# Altium PCB KitKTS.PcbDoc (part 2 of 2) (continued)
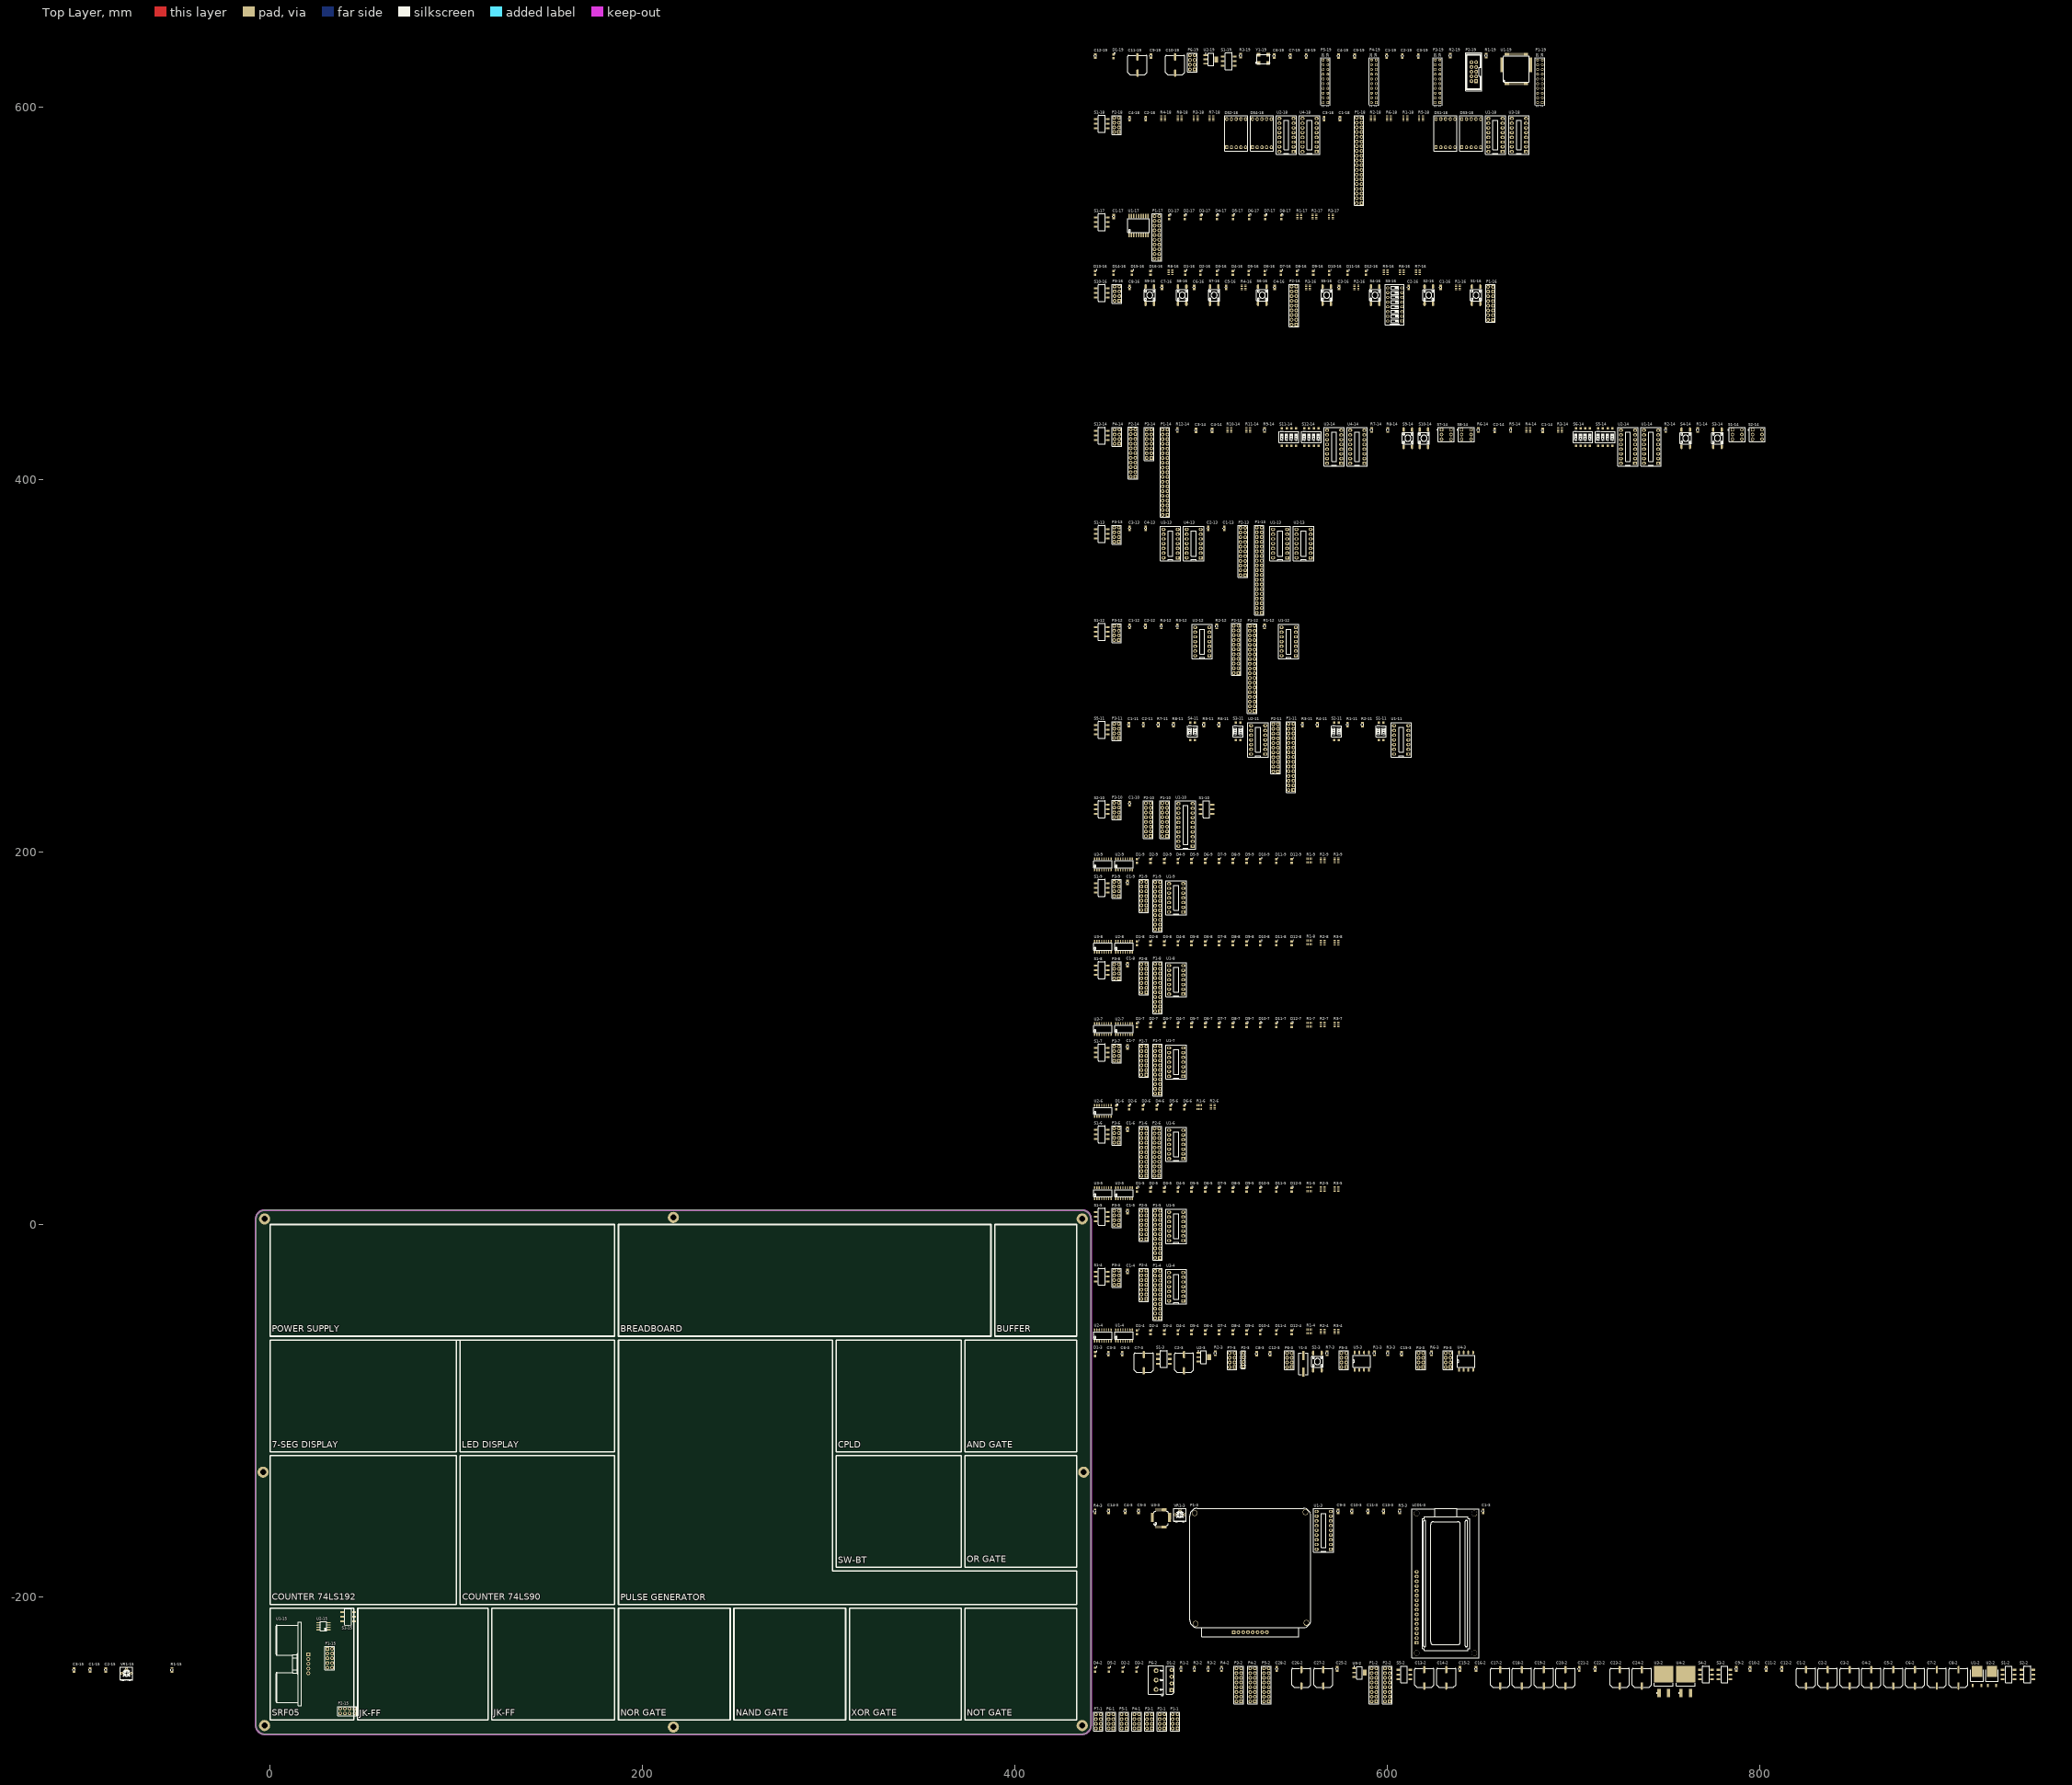
[diagram p0: Top Layer view]
## Nets (pads, with @x,y where several pads share a name; then routed paths per layer and width w, separated by ;. In a path a pad name is that pad's centre, name@x,y a point inside that pad or via, vN(x,y) a via of type N, cw(c..) or ccw(c..) an arc to the next point about the centre after c; other vN are vias at no path point) (continued)
IO69: P5-19.10 U1-19.97
IO70: P5-19.11 U1-19.98
IO71: P5-19.12 U1-19.99
IO72: P5-19.13 U1-19.100
IO73: P5-19.14 U1-19.1
J0: P1-12.1 P1-12.2 U1-12.14
J1: P1-12.11 P1-12.12 U1-12.7
J2: P1-12.21 P1-12.22 U2-12.14
J3: P1-12.31 P1-12.32 U2-12.7
JKCLK0: P1-12.5 P1-12.6 U1-12.1
JKCLK1: P1-12.15 P1-12.16 U1-12.5
JKCLK2: P1-12.25 P1-12.26 U2-12.1
JKCLK3: P1-12.35 P1-12.36 U2-12.5
JKCLR0: P1-12.7 P1-12.8 R1-12.1 U1-12.2
JKCLR1: P1-12.17 P1-12.18 R2-12.1 U1-12.6
JKCLR2: P1-12.27 P1-12.28 R3-12.1 U2-12.2
JKCLR3: P1-12.37 P1-12.38 R4-12.1 U2-12.6
JKnQ0: P2-12.3 P2-12.4 U1-12.13
JKnQ1: P2-12.9 P2-12.10 U1-12.8
JKnQ2: P2-12.15 P2-12.16 U2-12.13
JKnQ3: P2-12.21 P2-12.22 U2-12.8
JKQ0: P2-12.1 P2-12.2 U1-12.12
JKQ1: P2-12.7 P2-12.8 U1-12.9
JKQ2: P2-12.13 P2-12.14 U2-12.12
JKQ3: P2-12.19 P2-12.20 U2-12.9
K0: P1-12.3 P1-12.4 U1-12.3
K1: P1-12.13 P1-12.14 U1-12.10
K2: P1-12.23 P1-12.24 U2-12.3
K3: P1-12.33 P1-12.34 U2-12.10
LCD_D4: LCD1-3.11 U3-3.42
LCD_D5: LCD1-3.12 U3-3.43
LCD_D6: LCD1-3.13 U3-3.45
LCD_D7: LCD1-3.14 U3-3.46
LCD_EN: LCD1-3.6 U3-3.41
LCD_RS: LCD1-3.4 U3-3.39
LCD_RW: LCD1-3.5 U3-3.40
LED1_A0: P1-18.1 P1-18.2 U1-18.7
LED1_A1: P1-18.3 P1-18.4 U1-18.1
LED1_A2: P1-18.5 P1-18.6 U1-18.2
LED1_A3: P1-18.7 P1-18.8 U1-18.6
LED2_A0: P1-18.11 P1-18.12 U3-18.7
LED2_A1: P1-18.13 P1-18.14 U3-18.1
LED2_A2: P1-18.15 P1-18.16 U3-18.2
LED2_A3: P1-18.17 P1-18.18 U3-18.6
LED3_A0: P1-18.21 P1-18.22 U2-18.7
LED3_A1: P1-18.23 P1-18.24 U2-18.1
LED3_A2: P1-18.25 P1-18.26 U2-18.2
LED3_A3: P1-18.27 P1-18.28 U2-18.6
LED4_A0: P1-18.31 P1-18.32 U4-18.7
LED4_A1: P1-18.33 P1-18.34 U4-18.1
LED4_A2: P1-18.35 P1-18.36 U4-18.2
LED4_A3: P1-18.37 P1-18.38 U4-18.6
LED-IN1: P1-17.3 P1-17.4 U1-17.1
LED-IN2: P1-17.5 P1-17.6 U1-17.2
LED-IN3: P1-17.7 P1-17.8 U1-17.3
LED-IN4: P1-17.9 P1-17.10 U1-17.4
LED-IN5: P1-17.11 P1-17.12 U1-17.5
LED-IN6: P1-17.13 P1-17.14 U1-17.6
LED-IN7: P1-17.15 P1-17.16 U1-17.7
LED-IN8: P1-17.17 P1-17.18 U1-17.8
LS90_CLK0: P2-13.1 P2-13.2 U1-13.14
LS90_CLK1: P2-13.7 P2-13.8 U2-13.14
LS90_CLK2: P2-13.13 P2-13.14 U3-13.14
LS90_CLK3: P2-13.19 P2-13.20 U4-13.14
LS90_QA0: P1-13.1 P1-13.2 U1-13.1 U1-13.12
LS90_QA1: P1-13.11 P1-13.12 U2-13.1 U2-13.12
LS90_QA2: P1-13.21 P1-13.22 U3-13.1 U3-13.12
LS90_QA3: U4-13.1 U4-13.12
LS90_QB0: P1-13.3 P1-13.4 U1-13.9
LS90_QB1: P1-13.13 P1-13.14 U2-13.9
LS90_QB2: P1-13.23 P1-13.24 U3-13.9
LS90_QB3: P1-13.33 P1-13.34 U4-13.9
LS90_QC0: P1-13.5 P1-13.6 U1-13.8
LS90_QC1: P1-13.15 P1-13.16 U2-13.8
LS90_QC2: P1-13.25 P1-13.26 U3-13.8
LS90_QC3: P1-13.35 P1-13.36 U4-13.8
LS90_QD0: P1-13.7 P1-13.8 U1-13.11
LS90_QD1: P1-13.17 P1-13.18 U2-13.11
LS90_QD2: P1-13.27 P1-13.28 U3-13.11
LS90_QD3: P1-13.37 P1-13.38 U4-13.11
LS90_RST0: P2-13.3 P2-13.4 U1-13.2 U1-13.3
LS90_RST1: P2-13.9 P2-13.10 U2-13.2 U2-13.3
LS90_RST2: P2-13.15 P2-13.16 U3-13.2 U3-13.3
LS90_RST3: P2-13.21 P2-13.22 U4-13.2 U4-13.3
LS192_CLKI0: P2-14.1 P2-14.2 S1-14.1
LS192_CLKI1: P2-14.7 P2-14.8 S2-14.1
LS192_CLKI2: P2-14.13 P2-14.14 S7-14.1
LS192_CLKI3: P2-14.19 P2-14.20 S8-14.1
LS192_CLKO0: P3-14.1 P3-14.2 S1-14.4
LS192_CLKO1: P3-14.5 P3-14.6 S2-14.4
LS192_CLKO2: P3-14.9 P3-14.10 S7-14.4
LS192_CLKO3: P3-14.13 P3-14.14 S8-14.4
LS192_DOWN0: S1-14.3 U2-14.4
LS192_DOWN1: S2-14.3 U1-14.4
LS192_DOWN2: S7-14.3 U3-14.4
LS192_DOWN3: S8-14.3 U4-14.4
LS192_QA0: P1-14.1 P1-14.2 U2-14.3
LS192_QA1: P1-14.11 P1-14.12 U1-14.3
LS192_QA2: P1-14.21 P1-14.22 U3-14.3
LS192_QA3: P1-14.31 P1-14.32 U4-14.3
LS192_QB0: P1-14.3 P1-14.4 U2-14.2
LS192_QB1: P1-14.13 P1-14.14 U1-14.2
LS192_QB2: P1-14.23 P1-14.24 U3-14.2
LS192_QB3: P1-14.33 P1-14.34 U4-14.2
LS192_QC0: P1-14.5 P1-14.6 U2-14.6
LS192_QC1: P1-14.15 P1-14.16 U1-14.6
LS192_QC2: P1-14.25 P1-14.26 U3-14.6
LS192_QC3: P1-14.35 P1-14.36 U4-14.6
LS192_QD0: P1-14.7 P1-14.8 U2-14.7
LS192_QD1: P1-14.17 P1-14.18 U1-14.7
LS192_QD2: P1-14.27 P1-14.28 U3-14.7
LS192_QD3: P1-14.37 P1-14.38 U4-14.7
LS192_RST0: P2-14.3 P2-14.4 R6-14.2 U2-14.14
LS192_RST1: P2-14.9 P2-14.10 R5-14.2 U1-14.14
LS192_RST2: P2-14.15 P2-14.16 R12-14.2 U3-14.14
LS192_RST3: P2-14.21 P2-14.22 R9-14.2 U4-14.14
LS192_TCD0: S1-14.6 U2-14.13
LS192_TCD1: S2-14.6 U1-14.13
LS192_TCD2: S7-14.6 U3-14.13
LS192_TCD3: S8-14.6 U4-14.13
LS192_TCU0: S1-14.5 U2-14.12
LS192_TCU1: S2-14.5 U1-14.12
LS192_TCU2: S7-14.5 U3-14.12
LS192_TCU3: S8-14.5 U4-14.12
LS192_UP0: S1-14.2 U2-14.5
LS192_UP1: S2-14.2 U1-14.5
LS192_UP2: S7-14.2 U3-14.5
LS192_UP3: S8-14.2 U4-14.5
NAND1: D1-8.2 U2-8.16
NAND2: D2-8.2 U2-8.15
NAND3: D3-8.2 U2-8.14
NAND4: D4-8.2 U2-8.13
NAND5: D5-8.2 U2-8.12
NAND6: D6-8.2 U2-8.11
NAND7: D7-8.2 U2-8.10
NAND8: D8-8.2 U3-8.16
NAND9: D9-8.2 U3-8.15
NAND10: D10-8.2 U3-8.14
NAND11: D11-8.2 U3-8.13
NAND12: D12-8.2 U3-8.12
NANDI1A: P1-8.1 P1-8.2 U1-8.1 U2-8.1
NANDI1B: P1-8.3 P1-8.4 U1-8.2 U2-8.2
NANDI2A: P1-8.7 P1-8.8 U1-8.4 U2-8.3
NANDI2B: P1-8.9 P1-8.10 U1-8.5 U2-8.4
NANDI3A: P1-8.13 P1-8.14 U1-8.9 U2-8.5
NANDI3B: P1-8.15 P1-8.16 U1-8.10 U2-8.6
NANDI4A: P1-8.19 P1-8.20 U1-8.12 U2-8.7
NANDI4B: P1-8.21 P1-8.22 U1-8.13 U3-8.1
NANDY1: P2-8.1 P2-8.2 U1-8.3 U3-8.2
NANDY2: P2-8.5 P2-8.6 U1-8.6 U3-8.3
NANDY3: P2-8.9 P2-8.10 U1-8.8 U3-8.4
NANDY4: P2-8.13 P2-8.14 U1-8.11 U3-8.5
NetC1-2_1: C1-2.1 C2-2.1 C9-2.2 S1-2.1 U1-2.1
NetC1-15_2: C1-15.2 U2-15.2 U2-15.6 VR1-15.1 VR1-15.2
NetC2-15_2: C2-15.2 U2-15.5
NetC4-3_1: C4-3.1 U1-3.6
NetC5-2_1: C5-2.1 C6-2.1 C11-2.2 S2-2.1 U2-2.1
NetC5-3_1: C5-3.1 U1-3.5
NetC9-19_2: C9-19.2 C11-19.1 S1-19.1 U2-19.3
NetC13-2_2: C13-2.2 C14-2.2 C15-2.2 S4-2.1 U3-2.2
NetC19-2_2: C19-2.2 C20-2.2 C21-2.2 S3-2.1 U4-2.2
NetC25-2_2: C25-2.2 C26-2.1 S5-2.1 U5-2.3
NetD1-2_2: D1-2.2 P6-2.3
NetD1-2_3: D1-2.3 P6-2.1
NetD1-3_1: D1-3.1 R2-3.2
NetD1-4_1: D1-4.1 R1-4.1
NetD1-5_1: D1-5.1 R1-5.1
NetD1-6_1: D1-6.1 R1-6.1
NetD1-7_1: D1-7.1 R1-7.1
NetD1-8_1: D1-8.1 R1-8.1
NetD1-9_1: D1-9.1 R1-9.1
NetD1-16_1: D1-16.1 R5-16.1
NetD1-17_1: D1-17.1 R1-17.1
NetD1-17_2: D1-17.2 U1-17.18
NetD1-19_1: D1-19.1 R3-19.2
NetD2-2_2: D2-2.2 R1-2.2
NetD2-4_1: D2-4.1 R1-4.3
NetD2-5_1: D2-5.1 R1-5.3
NetD2-6_1: D2-6.1 R1-6.3
NetD2-7_1: D2-7.1 R1-7.3
NetD2-8_1: D2-8.1 R1-8.3
NetD2-9_1: D2-9.1 R1-9.3
NetD2-16_1: D2-16.1 R5-16.3
NetD2-17_1: D2-17.1 R1-17.3
NetD2-17_2: D2-17.2 U1-17.17
NetD3-2_2: D3-2.2 R2-2.2
NetD3-4_1: D3-4.1 R1-4.5
NetD3-5_1: D3-5.1 R1-5.5
NetD3-6_1: D3-6.1 R1-6.5
NetD3-7_1: D3-7.1 R1-7.5
NetD3-8_1: D3-8.1 R1-8.5
NetD3-9_1: D3-9.1 R1-9.5
NetD3-16_1: D3-16.1 R5-16.5
NetD3-17_1: D3-17.1 R2-17.3
NetD3-17_2: D3-17.2 U1-17.16
NetD4-2_1: D4-2.1 R3-2.2
NetD4-4_1: D4-4.1 R1-4.7
NetD4-5_1: D4-5.1 R1-5.7
NetD4-6_1: D4-6.1 R1-6.7
NetD4-7_1: D4-7.1 R1-7.7
NetD4-8_1: D4-8.1 R1-8.7
NetD4-9_1: D4-9.1 R1-9.7
NetD4-16_1: D4-16.1 R5-16.7
NetD4-17_1: D4-17.1 R1-17.5
NetD4-17_2: D4-17.2 U1-17.15
NetD5-2_1: D5-2.1 R4-2.2
NetD5-4_1: D5-4.1 R2-4.1
NetD5-5_1: D5-5.1 R2-5.1
NetD5-6_1: D5-6.1 R2-6.1
NetD5-7_1: D5-7.1 R2-7.1
NetD5-8_1: D5-8.1 R2-8.1
NetD5-9_1: D5-9.1 R2-9.1
NetD5-16_1: D5-16.1 R6-16.1
NetD5-17_1: D5-17.1 R3-17.3
NetD5-17_2: D5-17.2 U1-17.14
NetD6-4_1: D6-4.1 R2-4.3
NetD6-5_1: D6-5.1 R2-5.3
NetD6-6_1: D6-6.1 R2-6.3
NetD6-7_1: D6-7.1 R2-7.3
NetD6-8_1: D6-8.1 R2-8.3
NetD6-9_1: D6-9.1 R2-9.3
NetD6-16_1: D6-16.1 R6-16.3
NetD6-17_1: D6-17.1 R2-17.5
NetD6-17_2: D6-17.2 U1-17.13
NetD7-4_1: D7-4.1 R2-4.5
NetD7-5_1: D7-5.1 R2-5.5
NetD7-7_1: D7-7.1 R2-7.5
NetD7-8_1: D7-8.1 R2-8.5
NetD7-9_1: D7-9.1 R2-9.5
NetD7-16_1: D7-16.1 R6-16.5
NetD7-17_1: D7-17.1 R3-17.5
NetD7-17_2: D7-17.2 U1-17.12
NetD8-4_1: D8-4.1 R2-4.7
NetD8-5_1: D8-5.1 R2-5.7
NetD8-7_1: D8-7.1 R2-7.7
NetD8-8_1: D8-8.1 R2-8.7
NetD8-9_1: D8-9.1 R2-9.7
NetD8-16_1: D8-16.1 R6-16.7
NetD8-17_1: D8-17.1 R1-17.7
NetD8-17_2: D8-17.2 U1-17.11
NetD9-4_1: D9-4.1 R3-4.1
NetD9-5_1: D9-5.1 R3-5.1
NetD9-7_1: D9-7.1 R3-7.1
NetD9-8_1: D9-8.1 R3-8.1
NetD9-9_1: D9-9.1 R3-9.1
NetD9-16_1: D9-16.1 R7-16.1
NetD10-4_1: D10-4.1 R3-4.3
NetD10-5_1: D10-5.1 R3-5.3
NetD10-7_1: D10-7.1 R3-7.3
NetD10-8_1: D10-8.1 R3-8.3
NetD10-9_1: D10-9.1 R3-9.3
NetD10-16_1: D10-16.1 R7-16.3
NetD11-4_1: D11-4.1 R3-4.5
NetD11-5_1: D11-5.1 R3-5.5
NetD11-7_1: D11-7.1 R3-7.5
NetD11-8_1: D11-8.1 R3-8.5
NetD11-9_1: D11-9.1 R3-9.5
NetD11-16_1: D11-16.1 R7-16.5
NetD12-4_1: D12-4.1 R3-4.7
NetD12-5_1: D12-5.1 R3-5.7
NetD12-7_1: D12-7.1 R3-7.7
NetD12-8_1: D12-8.1 R3-8.7
NetD12-9_1: D12-9.1 R3-9.7
NetD12-16_1: D12-16.1 R7-16.7
NetD13-16_1: D13-16.1 R8-16.1
NetD14-16_1: D14-16.1 R8-16.3
NetD15-16_1: D15-16.1 R8-16.5
NetD16-16_1: D16-16.1 R8-16.7
NetDS1-18_1: DS1-18.1 R2-18.2
NetDS1-18_2: DS1-18.2 R1-18.8
NetDS1-18_4: DS1-18.4 R1-18.6
NetDS1-18_5: DS1-18.5 R2-18.8
NetDS1-18_6: DS1-18.6 R1-18.4
NetDS1-18_7: DS1-18.7 R1-18.2
NetDS1-18_9: DS1-18.9 R2-18.4
NetDS1-18_10: DS1-18.10 R2-18.6
NetDS2-18_1: DS2-18.1 R4-18.2
NetDS2-18_2: DS2-18.2 R3-18.8
NetDS2-18_4: DS2-18.4 R3-18.6
NetDS2-18_5: DS2-18.5 R4-18.8
NetDS2-18_6: DS2-18.6 R3-18.4
NetDS2-18_7: DS2-18.7 R3-18.2
NetDS2-18_9: DS2-18.9 R4-18.4
NetDS2-18_10: DS2-18.10 R4-18.6
NetDS3-18_1: DS3-18.1 R6-18.2
NetDS3-18_2: DS3-18.2 R5-18.8
NetDS3-18_4: DS3-18.4 R5-18.6
NetDS3-18_5: DS3-18.5 R6-18.8
NetDS3-18_6: DS3-18.6 R5-18.4
NetDS3-18_7: DS3-18.7 R5-18.2
NetDS3-18_9: DS3-18.9 R6-18.4
NetDS3-18_10: DS3-18.10 R6-18.6
NetDS4-18_1: DS4-18.1 R8-18.2
NetDS4-18_2: DS4-18.2 R7-18.8
NetDS4-18_4: DS4-18.4 R7-18.6
NetDS4-18_5: DS4-18.5 R8-18.8
NetDS4-18_6: DS4-18.6 R7-18.4
NetDS4-18_7: DS4-18.7 R7-18.2
NetDS4-18_9: DS4-18.9 R8-18.4
NetDS4-18_10: DS4-18.10 R8-18.6
NetLCD1-3_3: LCD1-3.3 VR1-3.2
NetLCD1-3_15: LCD1-3.15 R5-3.2
NetR1-14_1: R1-14.1 S3-14.2 U1-14.11
NetR1-15_1: R1-15.1 U2-15.7 VR1-15.3
NetR1-18_1: R1-18.1 U1-18.13
NetR1-18_3: R1-18.3 U1-18.12
NetR1-18_5: R1-18.5 U1-18.11
NetR1-18_7: R1-18.7 U1-18.10
NetR2-14_1: R2-14.1 S4-14.2 U2-14.11
NetR2-18_1: R2-18.1 U1-18.9
NetR2-18_3: R2-18.3 U1-18.15
NetR2-18_5: R2-18.5 U1-18.14
NetR3-3_2: R3-3.2 U5-3.2
NetR3-14_2: R3-14.2 S5-14.8 U1-14.15
NetR3-14_4: R3-14.4 S5-14.7 U1-14.1
NetR3-14_6: R3-14.6 S5-14.6 U1-14.10
NetR3-14_8: R3-14.8 S5-14.5 U1-14.9
NetR3-18_1: R3-18.1 U2-18.13
NetR3-18_3: R3-18.3 U2-18.12
NetR3-18_5: R3-18.5 U2-18.11
NetR3-18_7: R3-18.7 U2-18.10
NetR4-3_2: R4-3.2 U4-3.2
NetR4-14_2: R4-14.2 S6-14.8 U2-14.15
NetR4-14_4: R4-14.4 S6-14.7 U2-14.1
NetR4-14_6: R4-14.6 S6-14.6 U2-14.10
NetR4-14_8: R4-14.8 S6-14.5 U2-14.9
NetR4-18_1: R4-18.1 U2-18.9
NetR4-18_3: R4-18.3 U2-18.15
NetR4-18_5: R4-18.5 U2-18.14
NetR5-18_1: R5-18.1 U3-18.13
NetR5-18_3: R5-18.3 U3-18.12
NetR5-18_5: R5-18.5 U3-18.11
NetR5-18_7: R5-18.7 U3-18.10
NetR6-18_1: R6-18.1 U3-18.9
NetR6-18_3: R6-18.3 U3-18.15
NetR6-18_5: R6-18.5 U3-18.14
NetR7-14_1: R7-14.1 S9-14.2 U3-14.11
NetR7-18_1: R7-18.1 U4-18.13
NetR7-18_3: R7-18.3 U4-18.12
NetR7-18_5: R7-18.5 U4-18.11
NetR7-18_7: R7-18.7 U4-18.10
NetR8-14_1: R8-14.1 S10-14.2 U4-14.11
NetR8-18_1: R8-18.1 U4-18.9
NetR8-18_3: R8-18.3 U4-18.15
NetR8-18_5: R8-18.5 U4-18.14
NetR10-14_2: R10-14.2 S11-14.8 U3-14.15
NetR10-14_4: R10-14.4 S11-14.7 U3-14.1
NetR10-14_6: R10-14.6 S11-14.6 U3-14.10
NetR10-14_8: R10-14.8 S11-14.5 U3-14.9
NetR11-14_2: R11-14.2 S12-14.8 U4-14.15
NetR11-14_4: R11-14.4 S12-14.7 U4-14.1
NetR11-14_6: R11-14.6 S12-14.6 U4-14.10
NetR11-14_8: R11-14.8 S12-14.5 U4-14.9
NetS1-10_2: S1-10.2 U1-10.1
NOR1: D1-9.2 U2-9.16
NOR2: D2-9.2 U2-9.15
NOR3: D3-9.2 U2-9.14
NOR4: D4-9.2 U2-9.13
NOR5: D5-9.2 U2-9.12
NOR6: D6-9.2 U2-9.11
NOR7: D7-9.2 U2-9.10
NOR8: D8-9.2 U3-9.16
NOR9: D9-9.2 U3-9.15
NOR10: D10-9.2 U3-9.14
NOR11: D11-9.2 U3-9.13
NOR12: D12-9.2 U3-9.12
NORI1A: P1-9.1 P1-9.2 U1-9.2 U2-9.1
NORI1B: P1-9.3 P1-9.4 U1-9.3 U2-9.2
NORI2A: P1-9.7 P1-9.8 U1-9.5 U2-9.3
NORI2B: P1-9.9 P1-9.10 U1-9.6 U2-9.4
NORI3A: P1-9.13 P1-9.14 U1-9.8 U2-9.5
NORI3B: P1-9.15 P1-9.16 U1-9.9 U2-9.6
NORI4A: P1-9.19 P1-9.20 U1-9.11 U2-9.7
NORI4B: P1-9.21 P1-9.22 U1-9.12 U3-9.1
NORY1: P2-9.1 P2-9.2 U1-9.1 U3-9.2
NORY2: P2-9.5 P2-9.6 U1-9.4 U3-9.3
NORY3: P2-9.9 P2-9.10 U1-9.10 U3-9.4
NORY4: P2-9.13 P2-9.14 U1-9.13 U3-9.5
NOT1: D1-6.2 U2-6.16
NOT2: D2-6.2 U2-6.15
NOT3: D3-6.2 U2-6.14
NOT4: D4-6.2 U2-6.13
NOT5: D5-6.2 U2-6.12
NOT6: D6-6.2 U2-6.11
NOTI1: P1-6.1 P1-6.2 U1-6.1 U2-6.1
NOTI2: P1-6.5 P1-6.6 U1-6.3 U2-6.2
NOTI3: P1-6.9 P1-6.10 U1-6.5 U2-6.3
NOTI4: P1-6.13 P1-6.14 U1-6.9 U2-6.4
NOTI5: P1-6.17 P1-6.18 U1-6.11 U2-6.5
NOTI6: P1-6.21 P1-6.22 U1-6.13 U2-6.6
NOTO1: P2-6.1 P2-6.2 U1-6.2
NOTO2: P2-6.5 P2-6.6 U1-6.4
NOTO3: P2-6.9 P2-6.10 U1-6.6
NOTO4: P2-6.13 P2-6.14 U1-6.8
NOTO5: P2-6.17 P2-6.18 U1-6.10
NOTO6: P2-6.21 P2-6.22 U1-6.12
OR1: D1-5.2 U2-5.16
OR2: D2-5.2 U2-5.15
OR3: D3-5.2 U2-5.14
OR4: D4-5.2 U2-5.13
OR5: D5-5.2 U2-5.12
OR6: D6-5.2 U2-5.11
OR7: D7-5.2 U2-5.10
OR8: D8-5.2 U3-5.16
OR9: D9-5.2 U3-5.15
OR10: D10-5.2 U3-5.14
OR11: D11-5.2 U3-5.13
OR12: D12-5.2 U3-5.12
ORI1A: P1-5.1 P1-5.2 U1-5.1 U2-5.1
ORI1B: P1-5.3 P1-5.4 U1-5.2 U2-5.2
ORI2A: P1-5.7 P1-5.8 U1-5.4 U2-5.3
ORI2B: P1-5.9 P1-5.10 U1-5.5 U2-5.4
ORI3A: P1-5.13 P1-5.14 U1-5.9 U2-5.5
ORI3B: P1-5.15 P1-5.16 U1-5.10 U2-5.6
ORI4A: P1-5.19 P1-5.20 U1-5.12 U2-5.7
ORI4B: P1-5.21 P1-5.22 U1-5.13 U3-5.1
ORY1: P2-5.1 P2-5.2 U1-5.3 U3-5.2
ORY2: P2-5.5 P2-5.6 U1-5.6 U3-5.3
ORY3: P2-5.9 P2-5.10 U1-5.8 U3-5.4
ORY4: P2-5.13 P2-5.14 U1-5.11 U3-5.5
ROW1: P1-3.1 U1-3.1
ROW2: P1-3.2 U1-3.2
ROW3: P1-3.3 U1-3.3
ROW4: P1-3.4 U1-3.4
RST: R1-3.1 S2-3.2 U3-3.7
SW: U1-3.12 U3-3.29
SW0: C1-16.2 P2-16.1 P2-16.2 R1-16.1 R7-16.2 S1-16.2
SW1: C2-16.2 P2-16.3 P2-16.4 R1-16.3 R7-16.4 S2-16.2
SW2: C3-16.2 P2-16.5 P2-16.6 R1-16.7 R7-16.6 S4-16.2
SW3: C4-16.2 P2-16.7 P2-16.8 R3-16.1 R7-16.8 S5-16.2
SW4: C5-16.2 D13-16.2 P2-16.11 P2-16.12 R4-16.2 S6-16.1
SW5: C6-16.2 D14-16.2 P2-16.13 P2-16.14 R4-16.4 S7-16.1
SW6: C7-16.2 D15-16.2 P2-16.15 P2-16.16 R4-16.6 S8-16.1
SW7: C8-16.2 D16-16.2 P2-16.17 P2-16.18 R4-16.8 S9-16.1
SWCLK: P2-3.3 U3-3.37
SWDIO: P2-3.1 U3-3.34
SYNC: P1-15.1 P1-15.2 U2-15.3
TCK: P2-19.1 R2-19.1 U1-19.24
TDI: P2-19.9 U1-19.23
TDO: P2-19.3 U1-19.25
TMS: P2-19.5 R1-19.2 U1-19.22
TRIG: P1-15.9 P1-15.10 U1-15.3
V+: D1-2.1 S1-2.2 S1-2.3 S2-2.2 S2-2.3 S3-2.2 S3-2.3
V-: D1-2.4 S4-2.2 S4-2.3
V-AND: C1-4.1 P3-4.1 P3-4.2 P3-4.3 P3-4.4 R1-4.2 R1-4.4 R1-4.6 R1-4.8 R2-4.2 R2-4.4 R2-4.6 R2-4.8 R3-4.2 R3-4.4 R3-4.6 R3-4.8 S1-4.1 U1-4.9 U2-4.9
V-BUFF: C1-10.1 P3-10.1 P3-10.2 P3-10.3 P3-10.4 S1-10.3 S2-10.1 U1-10.20
V-CPLD: C1-19.1 C2-19.1 C3-19.1 C4-19.1 C5-19.1 C6-19.1 C7-19.1 C8-19.1 C10-19.1 C12-19.2 P2-19.4 P6-19.1 P6-19.2 P6-19.3 P6-19.4 R1-19.1 R3-19.1 U1-19.9 U1-19.13 U1-19.31 U1-19.45 U1-19.59 U1-19.63 U1-19.80 U1-19.94 U2-19.2 Y1-19.4
V-DFF: C1-11.1 C2-11.1 P3-11.1 P3-11.2 P3-11.3 P3-11.4 S1-11.1 S1-11.2 S2-11.1 S2-11.2 S3-11.1 S3-11.2 S4-11.1 S4-11.2 S5-11.1
V-JKFF: C1-12.1 C2-12.1 P3-12.1 P3-12.2 P3-12.3 P3-12.4 R1-12.2 R2-12.2 R3-12.2 R4-12.2 S1-12.1
V-LED: C1-17.1 P1-17.1 P1-17.2 R1-17.2 R1-17.4 R1-17.6 R1-17.8 R2-17.4 R2-17.6 R3-17.4 R3-17.6 S1-17.1 U1-17.10
V-LED7: C1-18.1 C2-18.1 C3-18.1 C4-18.1 DS1-18.3 DS1-18.8 DS2-18.3 DS2-18.8 DS3-18.3 DS3-18.8 DS4-18.3 DS4-18.8 P2-18.1 P2-18.2 P2-18.3 P2-18.4 S1-18.1 U1-18.3 U1-18.4 U1-18.5 U1-18.16 U2-18.3 U2-18.4 U2-18.5 U2-18.16 U3-18.3 U3-18.4 U3-18.5 U3-18.16 U4-18.3 U4-18.4 U4-18.5 U4-18.16
V-LS90: C1-13.1 C2-13.1 C3-13.1 C4-13.1 P3-13.1 P3-13.2 P3-13.3 P3-13.4 S1-13.1 U1-13.5 U2-13.5 U3-13.5 U4-13.5
V-LS192: C1-14.1 C2-14.1 C3-14.1 C4-14.1 P4-14.1 P4-14.2 P4-14.3 P4-14.4 R1-14.2 R2-14.2 R7-14.2 R8-14.2 S5-14.1 S5-14.2 S5-14.3 S5-14.4 S6-14.1 S6-14.2 S6-14.3 S6-14.4 S11-14.1 S11-14.2 S11-14.3 S11-14.4 S12-14.1 S12-14.2 S12-14.3 S12-14.4 S13-14.1 U1-14.16 U2-14.16 U3-14.16 U4-14.16
V-NAND: C1-8.1 P3-8.1 P3-8.2 P3-8.3 P3-8.4 R1-8.2 R1-8.4 R1-8.6 R1-8.8 R2-8.2 R2-8.4 R2-8.6 R2-8.8 R3-8.2 R3-8.4 R3-8.6 R3-8.8 S1-8.1 U1-8.14 U2-8.9 U3-8.9
V-NOR: C1-9.1 P3-9.1 P3-9.2 P3-9.3 P3-9.4 R1-9.2 R1-9.4 R1-9.6 R1-9.8 R2-9.2 R2-9.4 R2-9.6 R2-9.8 R3-9.2 R3-9.4 R3-9.6 R3-9.8 S1-9.1 U2-9.9 U3-9.9
V-NOT: C1-6.1 P3-6.1 P3-6.2 P3-6.3 P3-6.4 R1-6.2 R1-6.4 R1-6.6 R1-6.8 R2-6.2 R2-6.4 S1-6.1 U2-6.9
V-OR: C1-5.1 P3-5.1 P3-5.2 P3-5.3 P3-5.4 R1-5.2 R1-5.4 R1-5.6 R1-5.8 R2-5.2 R2-5.4 R2-5.6 R2-5.8 R3-5.2 R3-5.4 R3-5.6 R3-5.8 S1-5.1 U2-5.9 U3-5.9
V-P3V3: C6-3.2 C7-3.1 C9-3.2 C10-3.2 C11-3.2 C13-3.2 LCD1-3.2 P2-3.4 P7-3.1 P7-3.2 P7-3.3 P7-3.4 R1-3.2 R2-3.1 R3-3.1 R4-3.1 R5-3.1 U2-3.2 U3-3.9 U3-3.24 U3-3.36 U3-3.48 VR1-3.3
V-P5V: C2-3.1 C3-3.2 C14-3.2 C15-3.2 R6-3.1 R7-3.1 S1-3.1 U2-3.3 U4-3.7 U4-3.8 U5-3.7 U5-3.8
V-SRF05: C3-15.2 P2-15.1 P2-15.2 P2-15.3 P2-15.4 R1-15.2 S1-15.1 U1-15.1 U2-15.4 U2-15.8
V-SW: P3-16.1 P3-16.2 P3-16.3 P3-16.4 R4-16.1 R4-16.3 R4-16.5 R4-16.7 R8-16.2 R8-16.4 R8-16.6 R8-16.8 S1-16.1 S2-16.1 S3-16.1 S3-16.2 S3-16.3 S3-16.4 S3-16.5 S3-16.6 S3-16.7 S3-16.8 S4-16.1 S5-16.1 S10-16.1
V-XOR: C1-7.1 P3-7.1 P3-7.2 P3-7.3 P3-7.4 R1-7.2 R1-7.4 R1-7.6 R1-7.8 R2-7.2 R2-7.4 R2-7.6 R2-7.8 R3-7.2 R3-7.4 R3-7.6 R3-7.8 S1-7.1 U2-7.9 U3-7.9
VCC: C1-3.1 U1-3.18 U1-5.14 U1-6.14 U1-9.14 U1-12.4 U2-12.4
VDD: U1-7.14 U1-11.14 U2-11.14 U3-4.14
X1: C8-3.2 U3-3.5 Y1-3.1
X2: C12-3.2 U3-3.6 Y1-3.2
XOR1: D1-7.2 U2-7.16
XOR2: D2-7.2 U2-7.15
XOR3: D3-7.2 U2-7.14
XOR4: D4-7.2 U2-7.13
XOR5: D5-7.2 U2-7.12
XOR6: D6-7.2 U2-7.11
XOR7: D7-7.2 U2-7.10
XOR8: D8-7.2 U3-7.16
XOR9: D9-7.2 U3-7.15
XOR10: D10-7.2 U3-7.14
XOR11: D11-7.2 U3-7.13
XOR12: D12-7.2 U3-7.12
XORI1A: P1-7.1 P1-7.2 U1-7.2 U2-7.1
XORI1B: P1-7.3 P1-7.4 U1-7.1 U2-7.2
XORI2A: P1-7.7 P1-7.8 U1-7.5 U2-7.3
XORI2B: P1-7.9 P1-7.10 U1-7.6 U2-7.4
XORI3A: P1-7.13 P1-7.14 U1-7.8 U2-7.5
XORI3B: P1-7.15 P1-7.16 U1-7.9 U2-7.6
XORI4A: P1-7.19 P1-7.20 U1-7.12 U2-7.7
XORI4B: P1-7.21 P1-7.22 U1-7.13 U3-7.1
XORY1: P2-7.1 P2-7.2 U1-7.3 U3-7.2
XORY2: P2-7.5 P2-7.6 U1-7.4 U3-7.3
XORY3: P2-7.9 P2-7.10 U1-7.10 U3-7.4
XORY4: P2-7.13 P2-7.14 U1-7.11 U3-7.5
pads on no net: LCD1-3.7 LCD1-3.8 LCD1-3.9 LCD1-3.10 LCD1-3.HM1 LCD1-3.HM2 LCD1-3.HM3 LCD1-3.HM4 P1-4.5 P1-4.6 P1-4.11 P1-4.12 P1-4.17 P1-4.18 P1-5.5 P1-5.6 P1-5.11 P1-5.12 P1-5.17 P1-5.18 P1-6.3 P1-6.4 P1-6.7 P1-6.8 P1-6.11 P1-6.12 P1-6.15 P1-6.16 P1-6.19 P1-6.20 P1-7.5 P1-7.6 P1-7.11 P1-7.12 P1-7.17 P1-7.18 P1-8.5 P1-8.6 P1-8.11 P1-8.12 P1-8.17 P1-8.18 P1-9.5 P1-9.6 P1-9.11 P1-9.12 P1-9.17 P1-9.18 P1-11.7 P1-11.8 P1-11.15 P1-11.16 P1-11.23 P1-11.24 P1-12.9 P1-12.10 P1-12.19 P1-12.20 P1-12.29 P1-12.30 P1-13.9 P1-13.10 P1-13.19 P1-13.20 P1-13.29 P1-13.30 P1-13.31 P1-13.32 P1-14.9 P1-14.10 P1-14.19 P1-14.20 P1-14.29 P1-14.30 P1-15.3 P1-15.4 P1-15.7 P1-15.8 P1-18.9 P1-18.10 P1-18.19 P1-18.20 P1-18.29 P1-18.30 P2-4.3 P2-4.4 P2-4.7 P2-4.8 P2-4.11 P2-4.12 P2-5.3 P2-5.4 P2-5.7 P2-5.8 P2-5.11 P2-5.12 P2-6.3 P2-6.4 P2-6.7 P2-6.8 P2-6.11 P2-6.12 P2-6.15 P2-6.16 P2-6.19 P2-6.20 P2-7.3 P2-7.4 P2-7.7 P2-7.8 P2-7.11 P2-7.12 P2-8.3 P2-8.4 P2-8.7 P2-8.8 P2-8.11 P2-8.12 P2-9.3 P2-9.4 P2-9.7 P2-9.8 P2-9.11 P2-9.12 P2-11.5 P2-11.6 P2-11.11 P2-11.12 P2-11.17 P2-11.18 P2-12.5 P2-12.6 P2-12.11 P2-12.12 P2-12.17 P2-12.18 P2-13.5 P2-13.6 P2-13.11 P2-13.12 P2-13.17 P2-13.18 P2-14.5 P2-14.6 P2-14.11 P2-14.12 P2-14.17 P2-14.18 P2-16.9 P2-16.10 P2-19.6 P2-19.7 P2-19.8 P3-14.3 P3-14.4 P3-14.7 P3-14.8 P3-14.11 P3-14.12 R2-6.5 R2-6.6 R2-6.7 R2-6.8 R2-17.1 R2-17.2 R2-17.7 R2-17.8 R2-18.7 R3-17.1 R3-17.2 R3-17.7 R3-17.8 R4-18.7 R6-18.7 R8-18.7 S1-2.4 S1-2.5 S1-2.6 S1-3.4 S1-3.5 S1-3.6 S1-4.4 S1-4.5 S1-4.6 S1-5.4 S1-5.5 S1-5.6 S1-6.4 S1-6.5 S1-6.6 S1-7.4 S1-7.5 S1-7.6 S1-8.4 S1-8.5 S1-8.6 S1-9.4 S1-9.5 S1-9.6 S1-10.4 S1-10.5 S1-10.6 S1-12.4 S1-12.5 S1-12.6 S1-13.4 S1-13.5 S1-13.6 S1-15.4 S1-15.5 S1-15.6 S1-17.4 S1-17.5 S1-17.6 S1-18.4 S1-18.5 S1-18.6 S1-19.4 S1-19.5 S1-19.6 S2-2.4 S2-2.5 S2-2.6 S2-10.4 S2-10.5 S2-10.6 S3-2.4 S3-2.5 S3-2.6 S4-2.4 S4-2.5 S4-2.6 S5-2.4 S5-2.5 S5-2.6 S5-11.4 S5-11.5 S5-11.6 S10-16.4 S10-16.5 S10-16.6 S13-14.4 S13-14.5 S13-14.6 U1-13.4 U1-13.13 U1-15.4 U2-4.6 U2-4.7 U2-4.10 U2-4.11 U2-6.7 U2-6.10 U2-13.4 U2-13.13 U3-3.1 U3-3.2 U3-3.3 U3-3.4 U3-3.10 U3-3.11 U3-3.13 U3-3.14 U3-3.15 U3-3.17 U3-3.18 U3-3.19 U3-3.21 U3-3.22 U3-3.30 U3-3.31 U3-3.32 U3-3.33 U3-3.38 U3-5.6 U3-5.7 U3-5.10 U3-5.11 U3-7.6 U3-7.7 U3-7.10 U3-7.11 U3-8.6 U3-8.7 U3-8.10 U3-8.11 U3-9.6 U3-9.7 U3-9.10 U3-9.11 U3-13.4 U3-13.13 U4-3.1 U4-3.4 U4-13.4 U4-13.13 U5-3.1 U5-3.4 Y1-19.1
copper on no net:
  other v1: 496.767,-214.411 556.267,-213.911 496.267,-154.911 555.767,-154.411

## Keep-outs
Keep-Out Layer:
  lines w1: -3,7.701 ccw(c-3,3) -7.701,3 -7.701,-269 ccw(c-3,-269) -3,-273.701 436,-273.702 ccw(c436,-269) 440.701,-269 ; -3,7.702 436,7.702 ; 436,7.701 cw(c436,3) 440.701,3 440.701,-269 ; 440.701,-269 440.701,-269

## Silkscreen, mask and mechanical layers (free items; w line width, h text height)
Top Overlay:
  lines w0.8: 70,-62 185,-62 ; 185,-204 185,-124 102,-124 102,-204 185,-204 ; 185,-204 185,-204 ; 185,-62 102,-62 102,-122 185,-122 185,-62 ; 302,-184 302,-62 187,-62 187,-184 187,-204 433,-204 433,-186 302,-186 302,-184 ; 302,-184 302,-184 ; 0,-266 45,-266 45,-206 0,-206 0,-266 ; 0,-204 0,-124 100,-124 100,-204 0,-204 ; 0,-122 100,-122 100,-62 0,-62 0,-122 ; 0,-60 0,0 185,0 185,-60 0,-60 ; 47,-266 117,-266 117,-206 47,-206 47,-266 ; 119,-266 119,-206 185,-206 185,-266 119,-266 ; 187,-266 247,-266 247,-206 187,-206 187,-266 ; 187,-60 187,0 387,0 387,-60 187,-60 ; 249,-266 249,-206 309,-206 309,-266 249,-266 ; 304,-184 304,-124 371,-124 371,-184 304,-184 ; 304,-122 304,-62 371,-62 371,-122 304,-122 ; 311,-266 311,-206 371,-206 371,-266 311,-266 ; 373,-266 373,-206 433,-206 433,-266 373,-266 ; 373,-184 373,-124 433,-124 433,-184 373,-184 ; 373,-122 433,-122 433,-62 373,-62 373,-122 ; 389,-60 389,0 433,0 433,-60 389,-60
  text "POWER SUPPLY" at 1,-59 h6
  text "BREADBOARD" at 188,-59 h6
  text "BUFFER" at 390,-59 h6
  text "7-SEG DISPLAY" at 1,-121 h6
  text "LED DISPLAY" at 103,-121 h6
  text "CPLD" at 305,-121 h6
  text "AND GATE" at 374,-121 h6
  text "OR GATE" at 374,-182.6 h6
  text "SW-BT" at 305,-183 h6
  text "COUNTER 74LS192" at 1,-202.8 h6
  text "COUNTER 74LS90" at 103.2,-202.8 h6
  text "PULSE GENERATOR" at 188,-203 h6
  text "SRF05" at 1,-265 h6
  text "JK-FF" at 120,-265 h6
  text "NOR GATE" at 188,-265 h6
  text "NAND GATE" at 250,-265 h6
  text "XOR GATE" at 312,-265 h6
  text "NOT GATE" at 374,-265 h6
  text "JK-FF" at 48,-265.2 h6
Mechanical 15:
  lines w1: -7.701,-133 440.701,-133 ; 216.5,-273.602 216.5,7.702

## Text inside footprints (layer, text, board x,y; h text height)
P1-3: Mechanical 13 "7" at 503.567,-193.211 h7; Mechanical 13 "8" at 517.567,-193.211 h7; Mechanical 13 "9" at 531.567,-193.211 h7; Mechanical 13 "C" at 545.567,-193.211 h7; Mechanical 13 "D" at 545.567,-206.211 h7; Mechanical 13 "#" at 531.567,-206.211 h7; Mechanical 13 "0" at 517.567,-206.211 h7; Mechanical 13 "*" at 503.567,-206.211 h7; Mechanical 13 "4" at 503.567,-180.211 h7; Mechanical 13 "5" at 517.567,-180.211 h7; Mechanical 13 "6" at 531.567,-180.211 h7; Mechanical 13 "B" at 545.567,-180.211 h7; Mechanical 13 "A" at 545.567,-167.211 h7; Mechanical 13 "3" at 531.567,-167.211 h7; Mechanical 13 "2" at 517.567,-167.211 h7; Mechanical 13 "1" at 503.567,-167.211 h7
P1-19: Top Overlay "20" at 681.035,626.772 h1.27 r90; Top Overlay "19" at 683.575,626.772 h1.27 r90; Top Overlay "1" at 683.575,599.848 h1.27 r90; Top Overlay "2" at 681.035,599.848 h1.27 r90
P3-19: Top Overlay "20" at 626.035,626.772 h1.27 r90; Top Overlay "19" at 628.575,626.772 h1.27 r90; Top Overlay "1" at 628.575,599.848 h1.27 r90; Top Overlay "2" at 626.035,599.848 h1.27 r90
P4-19: Top Overlay "20" at 591.835,626.772 h1.27 r90; Top Overlay "19" at 594.375,626.772 h1.27 r90; Top Overlay "1" at 594.375,599.848 h1.27 r90; Top Overlay "2" at 591.835,599.848 h1.27 r90
P5-19: Top Overlay "20" at 565.835,626.772 h1.27 r90; Top Overlay "19" at 568.375,626.772 h1.27 r90; Top Overlay "1" at 568.375,599.848 h1.27 r90; Top Overlay "2" at 565.835,599.848 h1.27 r90
S1-11: Top Overlay "ON" at 594.211,266.789 h1.3; Top Overlay "1" at 594.854,262.025 h1.3; Top Overlay "2" at 597.651,262.025 h1.3
S2-11: Top Overlay "ON" at 570.211,266.789 h1.3; Top Overlay "1" at 570.854,262.025 h1.3; Top Overlay "2" at 573.651,262.025 h1.3
S3-11: Top Overlay "ON" at 517.411,266.789 h1.3; Top Overlay "1" at 518.054,262.025 h1.3; Top Overlay "2" at 520.852,262.025 h1.3
S4-11: Top Overlay "ON" at 493.011,266.789 h1.3; Top Overlay "1" at 493.654,262.025 h1.3; Top Overlay "2" at 496.452,262.025 h1.3
S5-14: Top Overlay "4" at 720.388,419.948 h1.3; Top Overlay "3" at 717.865,419.948 h1.3; Top Overlay "2" at 715.321,419.948 h1.3; Top Overlay "1" at 712.903,419.948 h1.3; Top Overlay "ON" at 712.198,424.788 h1.3
S6-14: Top Overlay "4" at 708.388,419.948 h1.3; Top Overlay "3" at 705.865,419.948 h1.3; Top Overlay "2" at 703.321,419.948 h1.3; Top Overlay "1" at 700.903,419.948 h1.3; Top Overlay "ON" at 700.198,424.788 h1.3
S11-14: Top Overlay "4" at 550.589,419.948 h1.3; Top Overlay "3" at 548.065,419.948 h1.3; Top Overlay "2" at 545.521,419.948 h1.3; Top Overlay "1" at 543.104,419.948 h1.3; Top Overlay "ON" at 542.398,424.788 h1.3
S12-14: Top Overlay "4" at 562.589,419.948 h1.3; Top Overlay "3" at 560.065,419.948 h1.3; Top Overlay "2" at 557.521,419.948 h1.3; Top Overlay "1" at 555.104,419.948 h1.3; Top Overlay "ON" at 554.398,424.788 h1.3